# Allegro board CATALYSTK_260108.brd (continued)
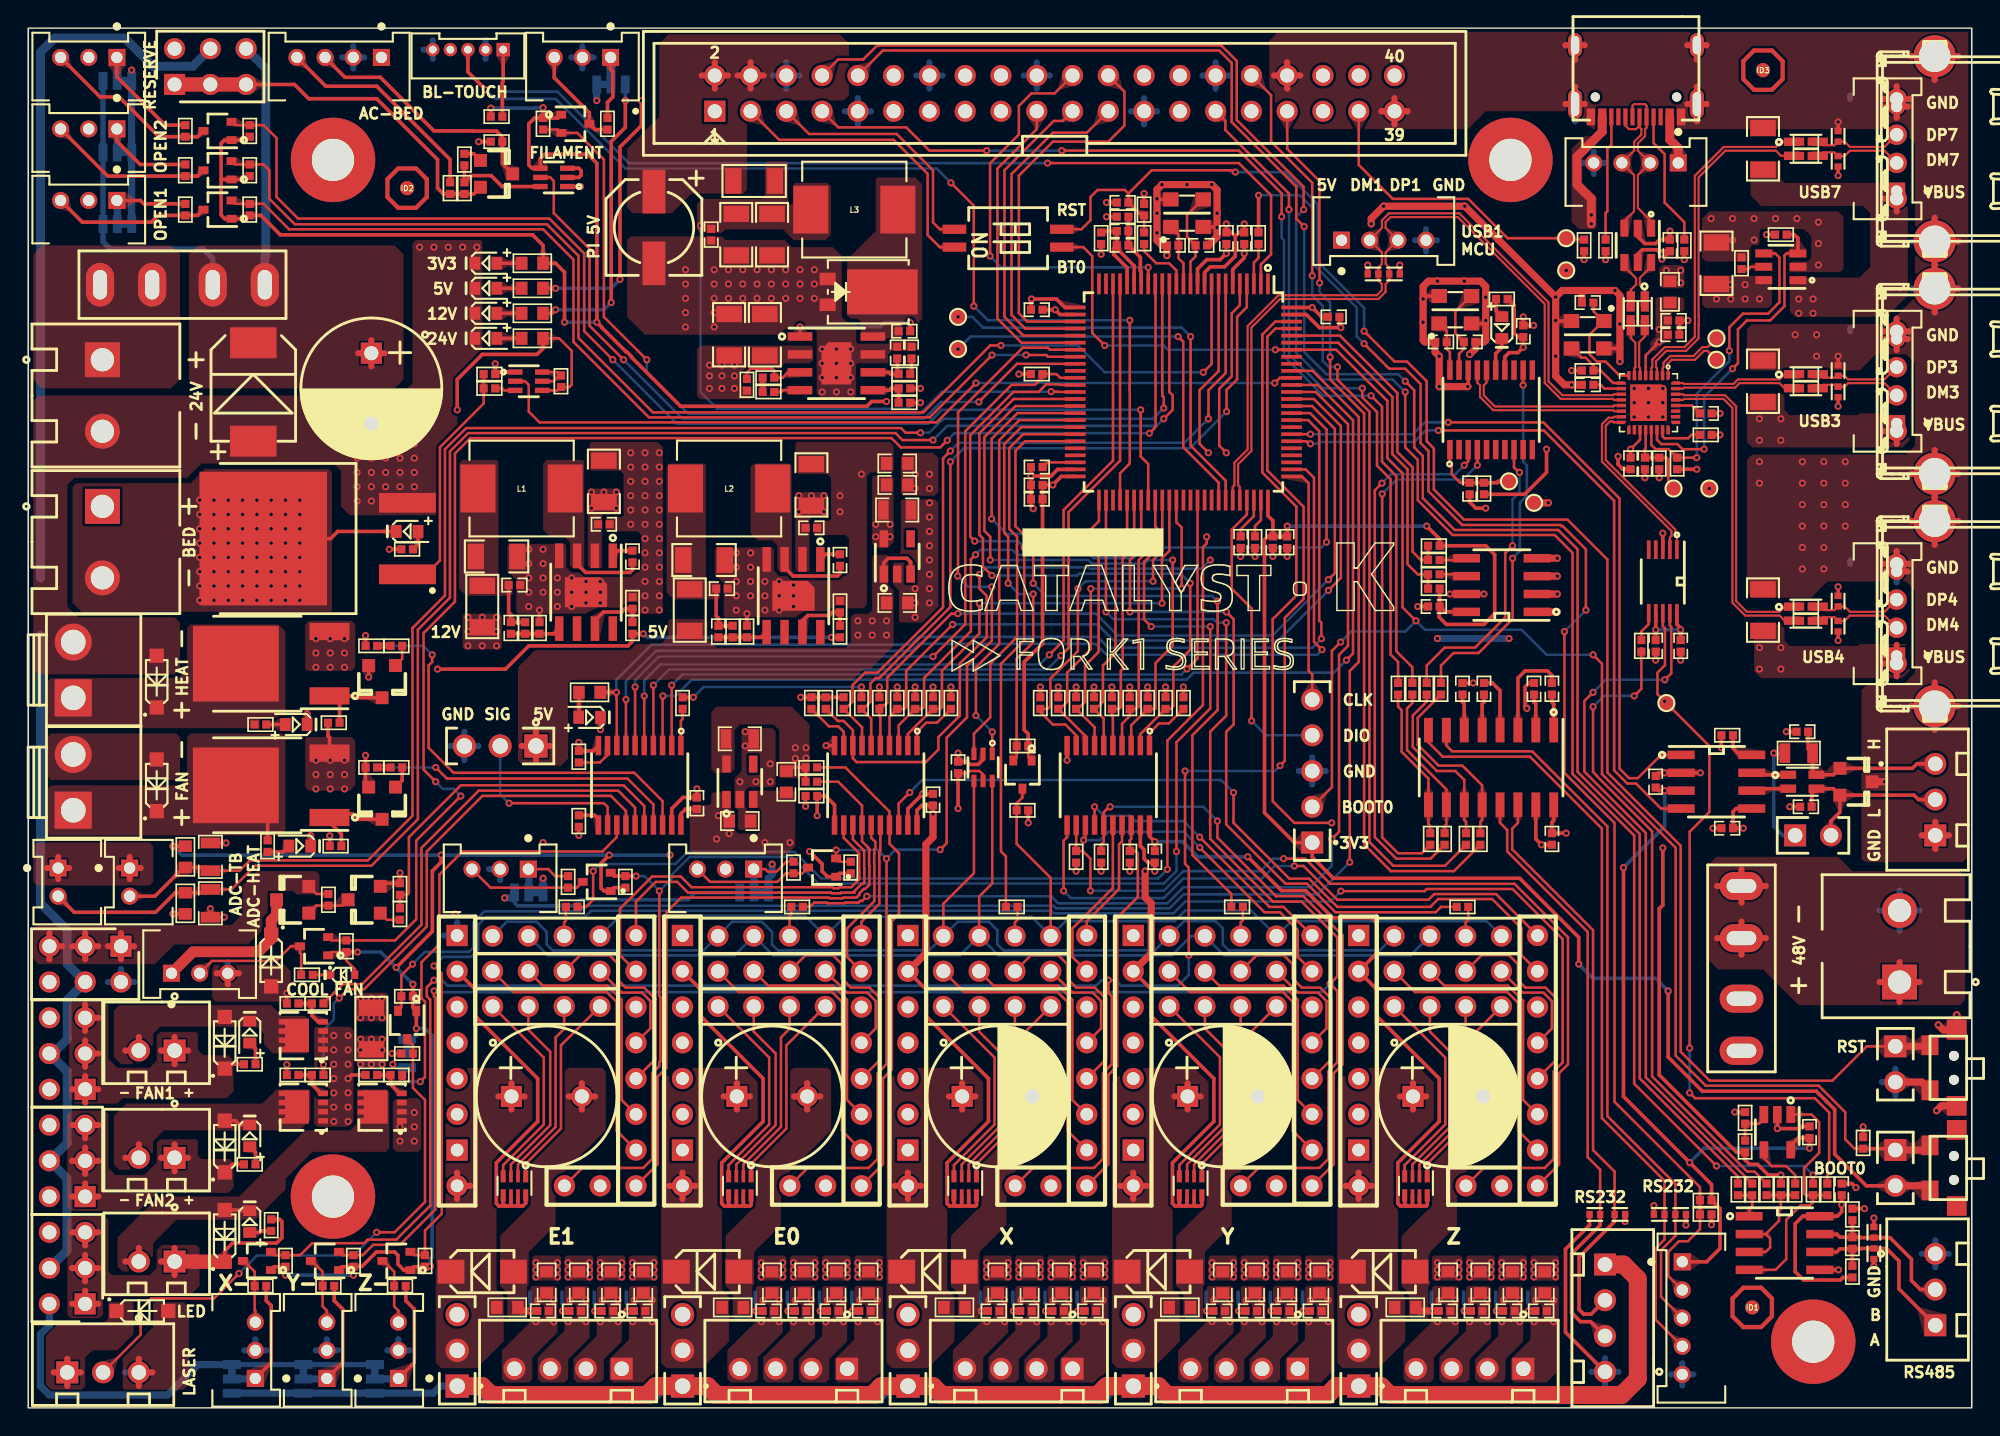
[diagram p0: board, top side]
## Routing (per net, layer and track width the routed paths; a pad name or vN(x,y) marks a point on that pad's centre or on a via; arc(x,y) is an arc through that point) (continued)
N267397_HV_STEPSTICK_DRIVER: length 7.5
  TOP w0.432: 62.46,14.84 MD1.16 ; MD1.16 62.46,16.71 ; MD1.16 61.52,15.77 ; MD1.16 63.39,15.77 ; 66.32,21.19 C76.1 ; C76.1 65.38,22.12 ; C76.1 67.25,22.12 ; C76.1 66.32,23.05
N267397_HV_STEPSTICK_DRIVER1: length 7.5
  TOP w0.432: 78.46,14.84 MD2.16 ; MD2.16 78.46,16.71 ; MD2.16 77.53,15.77 ; MD2.16 79.4,15.77 ; 81.39,22.12 C77.1 ; C77.1 82.32,23.05 ; C77.1 82.32,21.19 ; C77.1 83.25,22.12
N267397_STEPSTICK_DRIVER: length 7.5
  TOP w0.432: MD5.16 94.46,16.71 ; MD5.16 94.46,14.84 ; MD5.16 93.53,15.77 ; MD5.16 95.4,15.77 ; C80.1 99.25,22.12 ; C80.1 98.32,21.19 ; C80.1 98.32,23.05 ; C80.1 97.39,22.12
N267397_STEPSTICK_DRIVER1: length 7.5
  TOP w0.432: MD3.16 47.39,15.77 ; MD3.16 46.46,16.71 ; MD3.16 45.52,15.77 ; MD3.16 46.46,14.84 ; C78.1 51.25,22.12 ; C78.1 50.31,23.05 ; C78.1 49.38,22.12 ; C78.1 50.31,21.19
N267397_STEPSTICK_DRIVER2: length 6.5
  TOP w0.432: MD4.16 31.39,15.77 ; MD4.16 30.45,16.71 ; MD4.16 30.45,14.84 ; C79.1 35.25,22.12 ; C79.1 33.38,22.12 ; C79.1 34.31,21.19 ; C79.1 34.31,23.05
N267413_HV_STEPSTICK_DRIVER: length 14.3
  TOP w0.178: J52.8 69.83,25.75 69.83,19.83 67.33,17.33 RN1.1
N267413_HV_STEPSTICK_DRIVER1: length 14.3
  TOP w0.178: J55.8 85.83,25.72 85.83,19.83 83.33,17.33 RN2.1
N267413_STEPSTICK_DRIVER: length 14.2
  TOP w0.178: RN5.1 99.33,17.33 101.84,19.83 101.84,25.75 J64.8
N267413_STEPSTICK_DRIVER1: length 14.2
  TOP w0.178: RN3.1 51.33,17.33 53.83,19.83 53.83,25.75 J58.8
N267413_STEPSTICK_DRIVER2: length 14.2
  TOP w0.178: RN4.1 35.33,17.33 37.83,19.83 37.83,25.75 J61.8
N267417_HV_STEPSTICK_DRIVER: length 13.4
  TOP w0.178: RN1.2 66.78,17.28 69.45,19.96 69.45,26.31 70.06,26.92 J52.7
N267417_HV_STEPSTICK_DRIVER1: length 13.4
  TOP w0.178: J55.7 86.09,26.95 85.45,26.31 85.45,19.96 82.78,17.28 RN2.2
N267417_STEPSTICK_DRIVER: length 13.4
  TOP w0.178: J64.7 102.06,26.92 101.46,26.31 101.46,19.96 98.78,17.28 RN5.2
N267417_STEPSTICK_DRIVER1: length 13.4
  TOP w0.178: RN3.2 50.78,17.28 53.45,19.96 53.45,26.31 54.06,26.92 J58.7
N267417_STEPSTICK_DRIVER2: length 13.4
  TOP w0.178: J61.7 38.05,26.92 37.45,26.31 37.45,19.96 34.78,17.28 RN4.2
N267421_HV_STEPSTICK_DRIVER: length 13.9
  TOP w0.178: J52.6 67.52,26.72 69.07,25.17 69.07,20.08 66.28,17.29 RN1.3
N267421_HV_STEPSTICK_DRIVER1: length 13.9
  TOP w0.178: RN2.3 82.28,17.29 85.07,20.08 85.07,25.42 83.55,26.95 J55.6
N267421_STEPSTICK_DRIVER: length 13.9
  TOP w0.178: RN5.3 98.29,17.29 101.07,20.08 101.07,25.17 99.52,26.72 J64.6
N267421_STEPSTICK_DRIVER1: length 13.9
  TOP w0.178: RN3.3 50.28,17.29 53.07,20.08 53.07,25.17 51.52,26.72 J58.6
N267421_STEPSTICK_DRIVER2: length 13.9
  TOP w0.178: J61.6 35.51,26.85 37.07,25.3 37.07,20.08 34.28,17.29 RN4.3
N267425_HV_STEPSTICK_DRIVER: length 14.8
  TOP w0.178: J52.5 68.61,24.88 68.61,20.12 65.73,17.24 RN1.4
N267425_HV_STEPSTICK_DRIVER1: length 14.8
  TOP w0.178: RN2.4 81.73,17.24 84.62,20.12 84.62,24.91 J55.5
N267425_STEPSTICK_DRIVER: length 14.8
  TOP w0.178: J64.5 100.62,24.88 100.62,20.12 97.73,17.24 RN5.4
N267425_STEPSTICK_DRIVER1: length 14.8
  TOP w0.178: RN3.4 49.73,17.24 52.61,20.12 52.61,24.88 J58.5
N267425_STEPSTICK_DRIVER2: length 14.8
  TOP w0.178: J61.5 36.61,24.88 36.61,20.12 33.73,17.24 RN4.4
N267807_STEPSTICK_DRIVER: length 2.1
  TOP w0.178: J64.11 102.06,34.48 102.25,34.67 R152.2
N267807_STEPSTICK_DRIVER1: length 2.1
  TOP w0.178: R146.2 54.18,35.07 54.06,34.95 J58.11
N267807_STEPSTICK_DRIVER2: length 2.1
  TOP w0.178: J61.11 38.05,34.48 38.18,34.61 R149.2
N303785_HV_STEPSTICK_DRIVER: length 2.1
  TOP w0.178: J52.11 70.06,34.48 70.24,34.67 R140.2
N303785_HV_STEPSTICK_DRIVER1: length 2.1
  TOP w0.178: R143.2 86.25,34.64 86.09,34.48 J55.11
OSC_IN: length 6.9
  TOP w0.178: Y1.3 83.38,85.83 82.28,84.73 82.28,83.18 82.88,82.58 C36.1 82.88,81.78 82.52,81.42 U7.12
OSC_OUT: length 4.4
  TOP w0.178: Y1.1 81.67,83.34 C47.1 81.67,81.65 82.02,81.3 U7.13
OVCUR: length 24.4
  TOP w0.178: v1(118.99,68.09) 117.46,68.09 117.1,68.46 115.95,68.46 115.64,68.77 U12.22 ; U16.3 124.84,82 124.7,81.86 124.7,78.25 123.68,77.24 122.03,77.24 121.39,76.6 121.39,74.19 v1(121.01,73.81)
  TOP w0.254: R67.1 125.39,83.33 125.66,83.07 U16.3
  BOTTOM w0.178: v1(121.01,73.81) 118.99,71.79 v1(118.99,68.09)
PA0: length 62.2
  TOP w0.178: U8.4 v1(44.39,51.33) ; v1(73.32,53.43) 73.87,53.97 73.87,63.62 77.52,67.28 U7.22
  BOTTOM w0.178: v1(44.39,51.33) 45.51,52.45 72.35,52.45 v1(73.32,53.43)
PA1: length 62.4
  TOP w0.178: v1(72.5,53.49) 73.52,54.51 73.52,63.77 77.02,67.28 U7.23 ; U8.5 v1(43.74,50.57)
  BOTTOM w0.178: v1(72.5,53.49) 71.81,52.8 44.89,52.8 43.74,51.66 v1(43.74,50.57)
PA9/TX1: length 28.8
  TOP w0.178: U7.68 84.52,65.73 82.01,68.24 82.01,75.73 v1(81.64,76.1)
  BOTTOM w0.178: v1(81.64,76.1) 66.91,76.1 v1(66.02,75.21)
PA10/RX1: length 29.7
  TOP w0.178: U7.69 85.02,65.86 82.53,68.35 v1(82.53,76.1)
  BOTTOM w0.178: v1(66.02,77.49) 67.04,77.49 67.8,76.73 81.9,76.73 v1(82.53,76.1)
PA13/SWDIO: length 21.4
  TOP w0.178: v1(86.86,48.79) 86.86,56.78 85.45,58.19 85.45,62.38 86.53,63.45 U7.72
  BOTTOM w0.178: v1(86.86,48.79) 87.88,47.77 J4.4
PA14/SWCLK: length 16.9
  TOP w0.178: U7.76 90.44,66.16 90.91,65.68 90.91,52.35 91.17,52.09 J4.5
PA15: length 69.9
  TOP w0.178: U7.77 90.7,66.66 91.3,66.06 91.3,54.42 v1(91.86,53.85) ; U8.7 v1(42.44,50.31)
  BOTTOM w0.178: v1(91.86,53.85) 91.5,53.49 76.56,53.49 75.79,54.26 63.24,54.26 62.74,53.76 44.58,53.76 42.44,51.63 v1(42.44,50.31)
PB3: length 75.8
  TOP w0.178: U8.3 45.04,50.35 45.02,50.37 45.02,50.53 v1(45.07,50.57) ; U7.89 91.56,72.66 94.06,70.15 94.06,53.58 v1(93.59,53.11)
  BOTTOM w0.178: v1(93.59,53.11) 93.26,52.77 93.25,52.77 92.69,52.22 82.75,52.22 82.25,51.72 47.11,51.72 45.96,50.57 v1(45.07,50.57)
PB8/SCL: length 23.8
  TOP w0.178: R30.2 R34.2 98.66,59.2 97.94,59.93 97.94,66.66 96.86,67.74 96.86,71.81 93.01,75.66 U7.95
PB9/SDA: length 23.3
  TOP w0.178: R29.2 R35.2 98.89,60.22 98.29,60.82 98.29,66.81 97.21,67.89 97.21,72.08 93.14,76.16 U7.96
PB12: length 20.5
  TOP w0.178: U7.51 76.02,62.98 75.42,62.38 v1(75.42,61.48) ; v1(77.2,61.48) 77.2,53.62 76.31,52.73 76.31,50.15 75.81,49.65 75.68,49.65 ; R32.1 75.68,49.65 ; 75.68,49.65 76.37,48.96 U9.6
  BOTTOM w0.178: v1(77.2,61.48) v1(75.42,61.48)
PC8: length 53.7
  TOP w0.178: v1(45.69,51.33) U8.2 ; v1(82.28,52.49) 82.61,52.82 82.63,52.82 83.02,53.22 U7.65
  BOTTOM w0.178: v1(45.69,51.33) 46.45,52.09 81.88,52.09 v1(82.28,52.49)
PC13: length 54.6
  TOP w0.178: U11.7 59.2,48.34 57.9,49.65 ; 57.9,49.65 R45.1 ; 57.9,49.65 58.03,49.65 58.53,50.15 58.53,51.33 59.42,52.22 60.31,52.22 64.96,56.87 64.96,67.42 64.98,67.45 64.98,67.47 v1(65.48,67.97) ; U7.7 85.02,73.51 83.8,72.29 v1(83.8,70.25)
  BOTTOM w0.178: v1(65.48,67.97) 66.06,68.55 82.1,68.55 v1(83.8,70.25)
PD4: length 52.9
  TOP w0.178: U7.85 91.02,70.66 92.18,69.49 v1(92.18,61.49) ; v1(67.27,60.6) 66.93,60.27 66.93,55.16 63.61,51.84 63.61,49.78 63.48,49.65 R41.1 62.97,49.65 61.81,48.48 U11.3
  BOTTOM w0.178: v1(92.18,61.49) 91.8,61.11 79.23,61.11 78.47,60.35 75.65,60.35 75.4,60.59 70.23,60.59 69.88,60.94 67.6,60.94 v1(67.27,60.6)
PD5: length 55.5
  TOP w0.178: U11.5 60.51,49.07 60.43,49.14 R43.1 60.43,49.92 60.84,49.92 60.99,50.07 60.99,51.86 65.54,56.41 v1(66.01,56.41) ; v1(92.31,58.82) 92.77,59.29 92.77,69.54 91.16,71.16 U7.86
  BOTTOM w0.178: v1(66.01,56.41) 75.8,56.41 77.35,54.86 88.35,54.86 v1(92.31,58.82)
PD6: length 55.7
  TOP w0.178: v1(65.64,55.65) 62.34,52.35 62.34,49.78 62.21,49.65 R42.1 61.7,49.65 61.16,49.1 U11.4 ; U7.87 91.29,71.66 93.2,69.75 93.2,58.95 v1(92.31,58.06)
  BOTTOM w0.178: v1(65.64,55.65) 75.93,55.65 77.07,54.51 88.76,54.51 v1(92.31,58.06)
PD8: length 20.4
  TOP w0.178: 74.41,49.65 74.54,49.65 75.04,50.15 75.04,52.73 76,53.69 v1(76,60.87) ; 74.41,49.65 R33.1 ; 74.41,49.65 75.71,48.34 U9.7 ; U7.55 78.02,61.9 77.96,61.84 v1(77.96,61.36)
  BOTTOM w0.178: v1(76,60.87) 77.46,60.87 v1(77.96,61.36)
PD9: length 18.4
  TOP w0.178: U7.56 78.52,61.17 77.71,60.35 77.71,52.47 77.58,52.35 77.58,49.78 77.45,49.65 R31.1 76.94,49.14 77.02,49.07 U9.5
PD13: length 25.7
  TOP w0.178: U7.60 80.52,60.88 79.87,60.22 v1(79.87,58.71) ; 71.87,49.65 72.37,49.65 72.58,49.86 72.58,51.79 74.53,53.75 v1(74.53,58.19) ; 71.87,49.65 71.87,49.43 72.76,48.54 73.64,48.54 74.41,47.76 U9.9 ; 71.87,49.65 R37.1
  BOTTOM w0.178: v1(74.53,58.19) 75.05,58.71 v1(79.87,58.71)
PD14: length 33
  TOP w0.178: U7.61 81.02,60.87 80.5,60.35 v1(80.5,57.15) ; v1(67.53,57.15) 67.53,55 64.88,52.36 64.88,49.78 64.75,49.65 R40.1 64.24,49.65 62.46,47.86 U11.2
  BOTTOM w0.178: v1(67.53,57.15) v1(80.5,57.15)
PD15: length 25.9
  TOP w0.178: U7.62 81.52,62.9 81.9,62.53 v1(81.9,58.19) ; U9.8 75.06,47.72 73.14,49.65 ; 73.14,49.65 73.27,49.65 73.77,50.15 73.77,52.22 75.45,53.89 v1(75.45,58.19) ; 73.14,49.65 R36.1
  BOTTOM w0.178: v1(75.45,58.19) v1(81.9,58.19)
PE5: length 54
  TOP w0.178: U11.6 59.86,48.96 59.17,49.65 ; U7.4 86.53,78.18 85.83,77.49 85.83,73.05 85.08,72.3 v1(85.08,70.76) ; 59.17,49.65 59.3,49.65 59.8,50.15 59.8,51.46 60.18,51.84 60.43,51.84 65.48,56.88 v1(65.48,67.21) ; 59.17,49.65 R44.1
  BOTTOM w0.178: v1(65.48,67.21) 66.44,68.17 82.49,68.17 v1(85.08,70.76)
PE6: length 63
  TOP w0.178: v1(85.07,67.84) 84.56,68.35 84.56,72.38 85.45,73.27 85.45,77.75 86.02,78.32 U7.5 ; v1(67.55,59.2) 67.55,58.19 68.05,57.68 68.05,54.72 66.15,52.88 66.15,49.17 64.63,47.64 64.63,46.76 63.74,45.87 58.82,45.87 58.55,46.14 U11.8 58.55,48.13 57.89,48.79 57.49,48.79 56.63,49.65 R47.1
  ART03 w0.178: v1(85.07,67.84) 85.07,61.36 v1(83.93,60.22)
  BOTTOM w0.178: v1(83.93,60.22) 83.32,59.61 75.38,59.61 75.29,59.7 75,59.7 74.99,59.7 68.04,59.7 v1(67.55,59.2)
PE9: length 45.9
  TOP w0.178: U7.39 69.97,71.66 67.53,69.23 67.53,62.01 67.79,61.76 67.79,59.76 v1(68.42,59.12) ; v1(82.5,58.57) 82.5,53.84 81.31,52.65 81.31,49.85 81.11,49.65 R26.2 80.75,49.65 80.31,49.21 80.31,49.2 78.97,47.86 U9.2
  BOTTOM w0.178: v1(68.42,59.12) 74.49,59.12 74.62,59.26 81.82,59.26 v1(82.5,58.57)
PE10: length 44.1
  TOP w0.178: U7.40 70.1,71.16 67.89,68.95 67.89,62.29 68.31,61.87 v1(68.31,60.22) ; U9.3 78.32,48.48 79.48,49.65 R27.1 79.99,49.65 80.04,49.7 80.04,52.9 81.26,54.12 v1(81.26,60.22)
  BOTTOM w0.178: v1(68.31,60.22) 75.27,60.22 75.52,59.97 79.27,59.97 79.52,60.22 v1(81.26,60.22)
PE11: length 40
  TOP w0.178: U7.41 70.24,70.66 68.41,68.83 v1(68.41,63.14) ; U9.4 77.67,48.6 78.21,49.14 R28.1 ; R28.1 78.69,49.65 78.85,49.81 78.85,60.22 79.61,60.98 v1(79.61,61.74) ; R28.1 78.21,49.65
  BOTTOM w0.178: v1(79.61,61.74) 79.28,62.08 69.47,62.08 v1(68.41,63.14)
PE12: length 29.4
  TOP w0.178: v1(67.29,49.17) 67.29,52.6 68.94,54.25 68.94,68.73 70.37,70.16 U7.42 ; U6.1 v1(68.45,48.01)
  BOTTOM w0.178: v1(67.29,49.17) v1(68.45,48.01)
PE13: length 30.1
  TOP w0.178: v1(69.58,58.57) 69.58,61.87 69.3,62.15 69.3,68.45 70.51,69.66 U7.43 ; v1(71.36,57.81) 71.36,54.38 70.18,53.21 R21.2 70.18,46.22 Q1.2
  BOTTOM w0.178: v1(71.36,57.81) 70.34,57.81 v1(69.58,58.57)
PE14: length 28.3
  TOP w0.178: U6.3 67.15,47.89 68.31,49.04 68.31,52.85 70.21,54.76 70.21,60.88 70.2,60.89 70.2,61.33 70.21,61.34 70.21,61.87 69.65,62.43 69.65,68.17 70.64,69.16 U7.44
PI_5V: length 7.5
  TOP w0.432: 51.29,93.71 J33.4 ; J33.4 52.22,94.64 ; J33.4 50.36,94.64 ; J33.4 51.29,95.57 ; 47.82,94.64 J33.2 ; J33.2 48.75,95.57 ; J33.2 49.68,94.64 ; J33.2 48.75,93.71
PI_USB_UP_DM: length 4.2
  TOP w0.152: R55.1 114.79,76.76 L5.2 114.78,76.09 114.38,75.69 114.38,73.92 114.44,73.86 U12.6
PI_USB_UP_DP: length 4.2
  TOP w0.152: R57.1 113.77,76.76 L5.4 113.79,75.98 114.11,75.66 114.11,73.92 114.04,73.85 U12.7
PWREN: length 23.6
  TOP w0.178: U12.21 115.24,68.4 115.55,68.1 116.46,68.1 117.07,67.49 R155.2 v1(118.47,67.49) ; v1(120.78,75.08) 120.78,76.76 121.75,77.72 123.53,77.72 124.34,78.53 124.34,81.7 124.05,82 U16.4
  BOTTOM w0.178: v1(120.78,75.08) 120.78,74.34 118.47,72.03 v1(118.47,67.49)
RE/DE: length 9.1
  TOP w0.178: R112.2 124.44,14.12 124.32,13.99 124.32,13.29 123.37,12.34 ; R112.2 R162.2 ; R112.2 R171.2 ; 123.37,12.34 122.19,12.34 ; 123.37,12.34 123.68,12.03 123.68,11.39 123.37,11.07 U14.3
RESET: length 120.7
  TOP w0.178: R52.2 R48.2 79.04,84.7 C33.1 78.12,86.26 ; 78.12,86.26 79.77,87.91 85.58,87.91 v1(85.71,87.78) ; 78.12,86.26 77.86,86.51 75.93,86.51 75.42,86 75.42,84.35 74.79,83.72 73.38,83.72 ; v1(94.85,76.48) 97.01,74.32 97.9,74.32 99.3,72.92 99.3,68.66 99.8,68.15 99.8,65.23 101.94,63.09 109.29,63.09 112.12,60.26 112.12,45.13 117.33,39.93 117.33,25.3 119.39,23.24 128.1,23.24 130.54,25.68 J5.1
  TOP w0.508: J5.1 134.96,25.68 SW2.2
  BOTTOM w0.178: v1(94.85,76.48) 94.85,78.13 91.55,81.43 91.55,85.49 89.26,87.78 v1(85.71,87.78)
RPI_RX0: length 2.6
  TOP w0.178: U14.1 122.19,14.13 122.41,14.35 R109.2 R165.2
RPI_RX1: length 13.5
  TOP w0.178: R169.1 103.11,41.62 103.23,41.75 103.23,44.22 101.84,45.62 100.14,45.62 98.66,47.1 98.66,49.02 100.31,50.67 R104.2
RPI_RX3: length 10.8
  TOP w0.178: R168.1 97.26,49.81 97.52,49.55 97.52,46.6 99.42,44.7 U13.9 99.42,41.45 99.55,41.33 R106.2
RPI_TX0: length 18.1
  TOP w0.178: U19.1 126.62,20.84 127.16,20.29 127.16,18.11 126.09,17.04 126.09,15.23 126.22,15.11 R164.2 ; R164.2 R111.2 ; R164.2 126.73,14.6 126.5,14.37 125.84,14.37 124.82,13.36 124.82,10.56 124.06,9.8 U14.4
RPI_TX1: length 12.6
  TOP w0.178: R170.2 102.09,41.62 101.96,41.75 U13.11 101.96,44.6 101.33,45.23 100.02,45.23 98.31,46.95 98.31,49.17 99.3,50.16 R103.2
RPI_TX3: length 11.2
  TOP w0.178: R166.1 98.28,50.06 97.9,49.68 97.9,46.72 100.69,43.93 U13.10 100.69,41.45 100.57,41.33 R105.2
RS485_A: length 12.9
  TOP w0.254: J37.1 132.82,8.45 132.82,10.43 131.94,11.32 D28.1 130.09,11.32 130.07,11.3 R110.2 ; U14.6 128.41,11.07 128.63,11.3 R110.2 ; R110.2 R113.1
RS485_B: length 11.9
  TOP w0.254: R110.1 R108.2 ; R110.1 128.63,12.12 128.41,12.34 127.2,12.34 ; R110.1 130.07,12.12 130.09,12.09 D29.1 132.19,12.09 133.71,10.57 133.71,9.04 134.35,8.4 J37.2
RX: length 129.4
  TOP w0.178: v1(90.6,83.91) 90.04,84.47 90.04,86.75 85.45,91.33 85.45,91.75 85.45,91.75 85.45,95.53 84.56,96.42 60.69,96.42 J33.10 ; R165.1 121.39,16.43 114.42,23.41 114.42,40.76 110.01,45.18 110.01,60.98 108.64,62.35 101.29,62.35 99.02,64.62 99.02,67.61 98.41,68.22 98.41,72.29 v1(97.77,72.92)
  BOTTOM w0.178: v1(90.6,83.91) 90.6,75.01 92.19,73.42 97.28,73.42 v1(97.77,72.92)
SPI1.MISO: length 22.6
  TOP w0.178: J33.21 73.46,91.41 72.82,91.41 69.32,87.91 69.32,77.5 70.66,76.16 U7.30
SPI1.MOSI: length 22.1
  TOP w0.178: J33.19 71.61,90.83 68.82,88.03 68.82,77.37 70.52,75.66 U7.31
SPI1.SCK: length 23.7
  TOP w0.178: U7.29 70.79,76.66 69.82,77.64 69.82,87.64 72.76,90.57 75.17,90.57 J33.23
SPI1.SS: length 27
  TOP w0.178: U7.28 70.93,77.16 70.34,77.75 70.34,87.52 72.76,89.94 76.69,89.94 77.83,91.08 77.83,93.49 J33.24
SPI4.MISO: length 80.4
  TOP w0.178: Q1.3 70.59,43.36 70.18,42.95 R20.2 70.18,40.06 72.6,37.64 J52.12
  BOTTOM w0.178: J61.12 42.03,34.95 55.16,34.95 J58.12 57.97,34.89 71.23,34.89 J52.12 73.66,34.57 81.39,34.57 82.15,35.33 86.81,35.33 J55.12 89.69,34.57 103.54,34.57 J64.12
SPI4.MOSI: length 85
  TOP w0.178: U6.4 67.15,37.98 64.98,35.81 J52.9
  BOTTOM w0.178: J61.9 33.99,34.53 36.09,34.53 36.81,33.8 36.81,32.92 37.23,32.49 47.96,32.49 J58.9 49.99,34.53 52.09,34.53 52.81,33.8 52.81,32.92 53.24,32.49 63.96,32.49 J52.9 66,34.53 68.22,34.53 68.82,33.93 68.82,32.92 69.24,32.49 79.99,32.49 J55.9 82.06,34.57 84.31,34.57 84.82,34.06 84.82,32.92 85.24,32.49 95.96,32.49 J64.9
SPI4.SCK: length 80
  TOP w0.178: U6.6 68.45,37.25 67.52,36.32 J52.10
  BOTTOM w0.178: J61.10 36.89,32.14 50.14,32.14 J58.10 52.89,32.14 66.15,32.14 J52.10 68.89,32.14 81.2,32.14 82.58,33.51 J55.10 84.92,32.14 98.15,32.14 J64.10
STANDBY: length 15.5
  TOP w0.254: R84.2 29.95,88.67 24.75,93.88 21.13,93.88 J24.4
TX: length 138.7
  TOP w0.178: v1(97.77,72.16) 97.77,68.22 98.66,67.34 98.66,64.48 101.14,62 108.38,62 109.65,60.73 109.65,45.03 114.03,40.65 114.03,23.02 v1(119.87,17.18) ; v1(126.73,16.53) R164.1 ; J33.8 57.51,95.78 59.29,95.78 60.28,96.77 84.71,96.77 85.81,95.67 85.81,91.48 90.56,86.73 v1(90.56,85.11)
  BOTTOM w0.178: v1(119.87,17.18) 126.08,17.18 v1(126.73,16.53) ; v1(97.77,72.16) 96.88,73.05 91.93,73.05 90.03,74.95 90.03,84.58 v1(90.56,85.11)
USB_DM: length 12
  TOP w0.152: D8.1 115.23,84.29 114.29,85.23 114.29,87.56 J8.2 114.29,89.3 114.29,89.82 114.8,90.33 114.8,90.83 114.9,90.93 J10.B7 114.9,92.49 114.79,92.61 114.03,92.61 113.91,92.48 J10.A7
USB_DM2: length 12
  TOP w0.152: U12.13 112.59,71.2 112.52,71.13 104.13,71.13 103.35,71.92 103.35,72.63 103.54,72.82 U18.16
USB_DM3: length 9.4
  TOP w0.152: 125.47,72.43 L7.3 ; L7.3 125.23,72.41 R174.2 ; L7.3 124.71,72.43 124.35,72.79 121.51,72.79 121.19,72.46 117.56,72.46 117.5,72.4 U12.31
USB_DM4: length 23.8
  TOP w0.152: L8.3 124.71,55.92 124.35,56.28 121.91,56.28 121,57.19 121,71.03 120.37,71.66 117.56,71.66 117.5,71.6 U12.29 ; L8.3 125.23,55.9 R176.2 ; L8.3 125.47,55.92
USB_DM5: length 12.6
  TOP w0.152: U17.2 116.56,61.82 116.68,61.93 116.68,62.27 111.74,67.21 111.74,69.88 112.2,70.33 112.52,70.33 112.59,70.4 U12.15
USB_DM6: length 5
  TOP w0.152: T10.1 119.24,75.08 118.98,75.08 118.35,74.44 116.69,74.44 116.38,74.13 116.38,73.92 116.44,73.85 U12.1
USB_DM7: length 24.3
  TOP w0.152: U12.3 115.64,73.85 115.58,73.92 115.58,74.34 116.31,75.08 117.71,75.08 118.6,75.97 118.6,76.9 118.61,76.92 118.61,77.56 118.6,77.57 118.6,87.4 120.5,89.3 124.09,89.3 124.45,88.94 L6.3 125.23,88.92 R172.2
USB_DP: length 11
  TOP w0.152: D8.3 113.33,84.3 114.02,84.99 114.02,87.56 J8.3 114.02,89.3 114.02,89.93 114.54,90.44 114.54,90.83 114.4,90.96 114.4,91.08 ; 114.4,91.08 114.16,90.83 113.65,90.83 113.41,91.07 J10.B6 ; 114.4,91.08 J10.A6
USB_DP2: length 12.4
  TOP w0.152: U18.17 102.89,72.82 103.08,72.63 103.08,71.8 104.02,70.86 112.52,70.86 112.59,70.8 U12.14
USB_DP3: length 9.4
  TOP w0.152: L7.1 124.71,73.42 124.35,73.05 121.4,73.05 121.08,72.73 117.56,72.73 117.5,72.8 U12.32 ; L7.1 125.47,73.42 ; L7.1 125.23,73.43 R175.2
USB_DP4: length 23.8
  TOP w0.152: L8.1 125.23,56.92 R177.2 ; L8.1 124.71,56.91 124.35,56.54 122.02,56.54 121.27,57.3 121.27,71.14 120.48,71.93 117.56,71.93 117.5,72 U12.30 ; L8.1 125.47,56.91
USB_DP5: length 12.2
  TOP w0.152: U12.16 112.59,70 112.52,70.06 112.31,70.06 112.01,69.76 112.01,67.32 116.94,62.38 116.94,61.93 117.06,61.82 U17.1
USB_DP6: length 5.4
  TOP w0.152: T11.1 119.25,75.35 118.87,75.35 118.23,74.71 116.58,74.71 116.11,74.24 116.11,73.92 116.04,73.85 U12.2
USB_DP7: length 24.8
  TOP w0.152: U12.4 115.24,73.85 115.31,73.92 115.31,74.46 116.2,75.35 117.6,75.35 118.33,76.08 118.33,77.02 118.35,77.03 118.35,77.45 118.33,77.46 118.33,87.51 120.38,89.56 124.09,89.56 124.45,89.93 L6.1 125.23,89.94 R173.2
USBDM_DN4: length 55.2
  TOP w0.152: U7.70 85.52,65.42 85.64,65.53 85.64,67.14 86.58,68.08 86.58,76.84 88.77,79.03 95.76,79.03 96.11,79.39 96.11,79.83 95.86,80.08 ED8.1 95.86,81 96.11,81.25 96.11,82.07 J15.2 96.11,83.8 96.11,84.35 96.61,84.85 101.62,84.85 107.94,78.52 107.94,72.91 108.92,71.93 112.52,71.93 112.59,72 U12.11
USBDP_DP4: length 54.7
  TOP w0.152: U12.12 112.59,71.6 112.52,71.66 108.81,71.66 107.68,72.8 107.68,78.41 101.51,84.58 96.73,84.58 96.38,84.23 96.38,83.81 J15.3 96.38,82.07 96.38,81.25 96.63,81 ED7.1 96.63,80.08 96.38,79.83 96.38,79.28 95.87,78.76 88.88,78.76 86.85,76.73 86.85,67.97 85.91,67.03 85.91,65.53 86.02,65.42 U7.71
X_MIN: length 159.4
  TOP w0.178: v1(82.41,32.15) 82.41,38.38 82.14,38.64 v1(82.14,45.23) ; MD1.19 71.35,17.04 75.67,17.04 76.31,17.68 76.31,23.77 76.94,24.41 76.94,29.23 76.69,29.49 v1(76.69,30.38) ; v1(88.88,45.62) 89.22,45.95 89.22,56.11 90.56,57.45 90.56,64.01 87.98,66.58 87.98,76.09 88.55,76.66 U7.97 ; Q17.2 17.47,10.85 R118.2 19.32,10.85 20.16,11.69 23.85,11.69 24.1,11.95 26.13,11.95 28.54,14.36 28.54,28.99 28.3,29.24 28.3,29.87 v1(28.81,30.38)
  BOTTOM w0.178: v1(28.81,30.38) 29.39,30.38 29.78,29.99 75.83,29.99 76.22,30.38 v1(76.69,30.38) 77.2,30.38 77.58,29.99 81.64,29.99 82.41,30.76 v1(82.41,32.15) ; v1(88.88,45.62) 88.5,45.23 v1(82.14,45.23)
XI: length 4.8
  TOP w0.178: U12.9 112.53,72.8 111.64,73.68 R70.2 111.14,74.03 110.58,74.59 110.28,74.59 109.63,75.25 Y2.3
XO: length 7.8
  TOP w0.178: C57.1 111.14,77.94 111.17,77.9 111.17,77.85 111.83,77.2 ; 111.83,77.2 Y2.1 ; 111.83,77.2 110.85,76.23 110.85,74.84 111.38,74.32 112,74.32 113,73.32 U12.8
Y_MIN: length 155.7
  TOP w0.178: v1(28.82,29.61) 28.81,29.61 28.81,29.23 28.9,29.14 28.9,14.08 26.4,11.58 24.49,11.58 23.76,10.85 R123.2 22.3,10.85 Q19.2 ; U7.52 v1(76.53,56.54) ; MD2.19 87.35,17.04 91.68,17.04 92.31,17.68 92.31,23.9 92.95,24.53 92.95,29.61 v1(92.44,30.12) 92.95,30.63 92.95,33.42 90.41,35.96 88.38,35.96 83.93,40.41 83.93,41.45 83.92,41.46 83.92,41.89 83.93,41.91 83.93,48.03 85.06,49.16 v1(85.06,55.78)
  BOTTOM w0.178: v1(85.06,55.78) 84.42,55.78 84.18,56.02 77.05,56.02 v1(76.53,56.54) ; v1(92.44,30.12) 91.85,29.53 29.38,29.53 29.3,29.61 v1(28.82,29.61)
Z_MIN: length 177.6
  TOP w0.178: v1(92.55,41.55) 89.9,41.55 88.36,43.09 88.36,56.02 90.04,57.7 90.04,64.02 87.62,66.44 87.62,76.23 88.55,77.16 U7.98 ; v1(28.81,31.39) 29.36,30.84 29.36,13.78 28.18,12.59 R130.2 27.38,10.85 Q22.2 ; v1(93.2,36.7) 99.14,36.7 99.3,36.85 105.4,36.85 108.95,33.3 108.95,24.53 108.31,23.9 108.31,17.68 107.68,17.04 103.35,17.04 MD5.19
  ART03 w0.254: v1(92.55,41.55) 93.2,40.9 v1(93.2,36.7)
  BOTTOM w0.178: v1(28.81,31.39) 29.45,32.03 31.45,32.03 31.96,32.53 31.96,34.32 32.53,34.89 39.55,34.89 39.96,35.3 72.65,35.3 72.83,35.13 81.31,35.13 82.15,35.96 92.46,35.96 v1(93.2,36.7)
N227844: length 1.5
  TOP w0.254: C1.1 41.88,60.89 U1.1
N227848: length 5.4
  TOP w0.254: C1.2 42.91,59.52 42.73,59.34 39.58,59.34 38.97,59.94 38.97,60.52
N227924: length 3.7
  TOP w0.254: R2.2 C5.1 34.27,56.35 34.11,56.5 C7.1
N228004: length 4.5
  TOP w0.254: R1.1 R3.2 42.37,56.76 42.14,56.53 40.85,56.53 40.24,55.93 U1.7
N228104: length 3.6
  TOP w0.254: U1.5 37.34,54.98 R4.2 R2.1 C5.2
N230811: length 1.5
  TOP w0.254: U2.1 56.61,60.63 C8.1
N230815: length 5.4
  TOP w0.254: C8.2 57.64,59.27 57.46,59.09 54.31,59.09 53.7,59.69 U2.3
N230925: length 3.7
  TOP w0.254: C13.1 48.85,56.25 49,56.09 C11.1 R6.2
N231033: length 4.7
  TOP w0.254: R5.1 R7.2 57.1,56.51 56.87,56.28 55.35,56.28 54.97,55.9 U2.7
N231165: length 3.6
  TOP w0.254: U2.5 52.07,54.73 R8.2 R6.1 C11.2
N289273: length 1.8
  TOP w0.254: R9.1 D3.2
N289277: length 1.8
  TOP w0.254: R10.1 D4.2
N289281: length 1.8
  TOP w0.254: R12.1 D6.2
N294317: length 2.5
  TOP w0.178: U7.48 72.35,67.16 C34.1
N294339: length 3
  TOP w0.178: C35.1 86.09,62.41 87.03,63.35 U7.73
N294743: length 2.7
  TOP w0.178: U7.74 87.52,63.05 87.1,62.63 R50.1
N296224: length 4.3
  TOP w0.178: R52.1 79.23,82.16 80.09,81.3 81.01,81.3 81.52,80.79 U7.14
N296953: length 33.3
  TOP w0.178: U8.15 43.09,42.64 41.89,43.84 31.99,43.84 27.92,39.77 27.92,34.31 23.71,30.1 22.33,30.1 20.97,28.73 R91.2
N296959: length 36.8
  TOP w0.178: U8.14 42.44,42.4 41.37,43.47 32.25,43.47 28.3,39.52 28.3,34.19 23.86,29.74 22.72,29.74 v1(22.08,29.11) ; R90.2 v1(20.97,24.38)
  BOTTOM w0.178: v1(22.08,29.11) 21.7,28.72 21.7,27.58 20.97,26.85 v1(20.97,24.38)
N296965: length 31.8
  TOP w0.178: U8.13 41.79,40.54 40.77,39.52 30.84,39.52 29.19,37.87 29.19,32.92 27.92,31.65 27.92,29.1 28.17,28.85 28.17,23.5 v1(27.84,23.17)
  TOP w0.254: R92.2 v1(26.56,23.17)
  BOTTOM w0.254: v1(27.84,23.17) v1(26.56,23.17)
N296971: length 112.5
  TOP w0.178: U7.91 91.19,73.66 94.47,70.38 94.47,52.98 93.84,52.35 v1(93.84,38.76) ; v1(27.29,31.52) 26.49,30.72 R99.2 26.49,28.44 Q15.2
  BOTTOM w0.178: v1(93.84,38.76) 91.55,36.47 82.02,36.47 81.03,35.48 72.98,35.48 72.8,35.66 39.56,35.66 39.16,35.27 32.4,35.27 31.6,34.46 31.6,32.68 31.31,32.39 28.16,32.39 v1(27.29,31.52)
N296975: length 51.2
  TOP w0.178: Q8.5 37.07,87.4 37.32,87.14 37.32,84.86 39.86,82.32 39.86,76.86 v1(42.27,74.44) ; v1(67.5,71.45) 70.21,74.16 U7.34
  BOTTOM w0.178: v1(67.5,71.45) 64.8,71.45 63.61,70.25 46.46,70.25 v1(42.27,74.44)
N296979: length 105.1
  TOP w0.178: v1(65.26,68.73) 64.75,68.22 61.96,68.22 61.3,68.88 31.39,68.88 30.3,67.79 30.3,57.27 28.07,55.04 28.07,45.34 v1(28.94,44.47) ; Q13.2 21.54,33.2 R97.2 26.05,33.2 27.55,34.71 27.55,40.29 v1(30.72,43.46) ; v1(79.61,69.23) 79.95,69.56 79.95,69.57 80.05,69.67 80.05,78.89 80.03,78.91 U7.17
  BOTTOM w0.178: v1(30.72,43.46) 30.21,43.96 29.45,43.96 v1(28.94,44.47) ; v1(65.26,68.73) 65.77,69.24 79.13,69.24 79.14,69.23 v1(79.61,69.23)
N296987: length 12.7
  TOP w0.178: v1(34.15,42.95) 40.88,42.95 41.14,42.68 U8.12
  BOTTOM w0.178: v1(34.15,42.95) 33.51,43.58 J30.2
N297301: length 28.9
  TOP w0.178: v1(68.3,81.81) 68.3,88.4 70.34,90.45 70.34,92.48 71.23,93.37 72.88,93.37 J33.22 ; U7.18 v1(79.52,81.01)
  BOTTOM w0.178: v1(79.52,81.01) 69.1,81.01 v1(68.3,81.81)
N297727: length 50.4
  TOP w0.178: U7.82 v1(91.04,69.16) ; v1(100.82,70) 107.58,70 112.99,64.59 112.99,45.4 113.66,44.73 114.28,44.73 115.93,46.38 U15.1
  BOTTOM w0.178: v1(100.82,70) 99.17,70 98.33,69.16 v1(91.04,69.16)